# KiCad board Retro.kicad_pcb
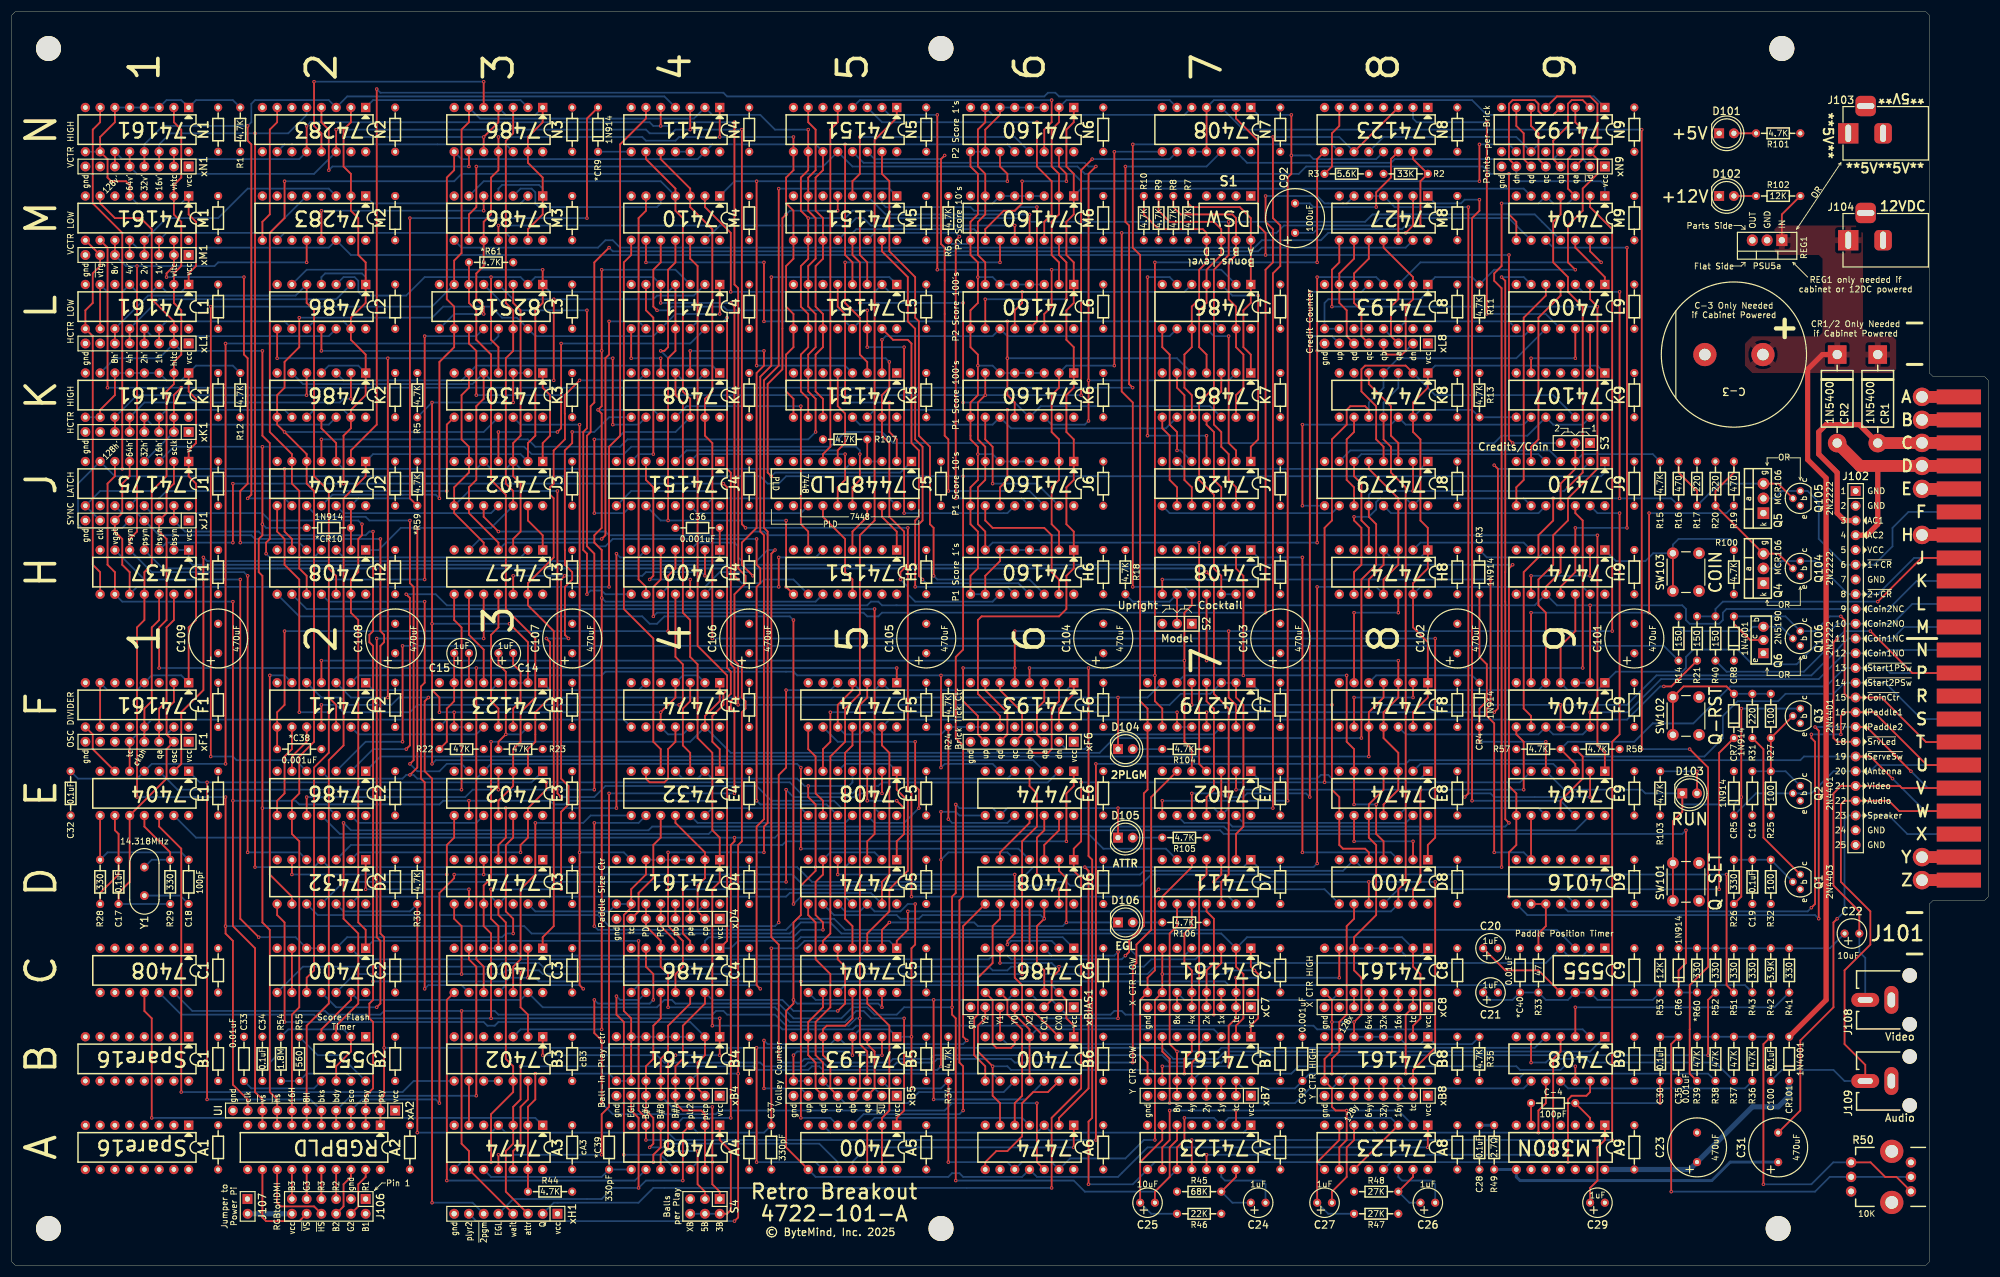
[diagram p0: board, top side]
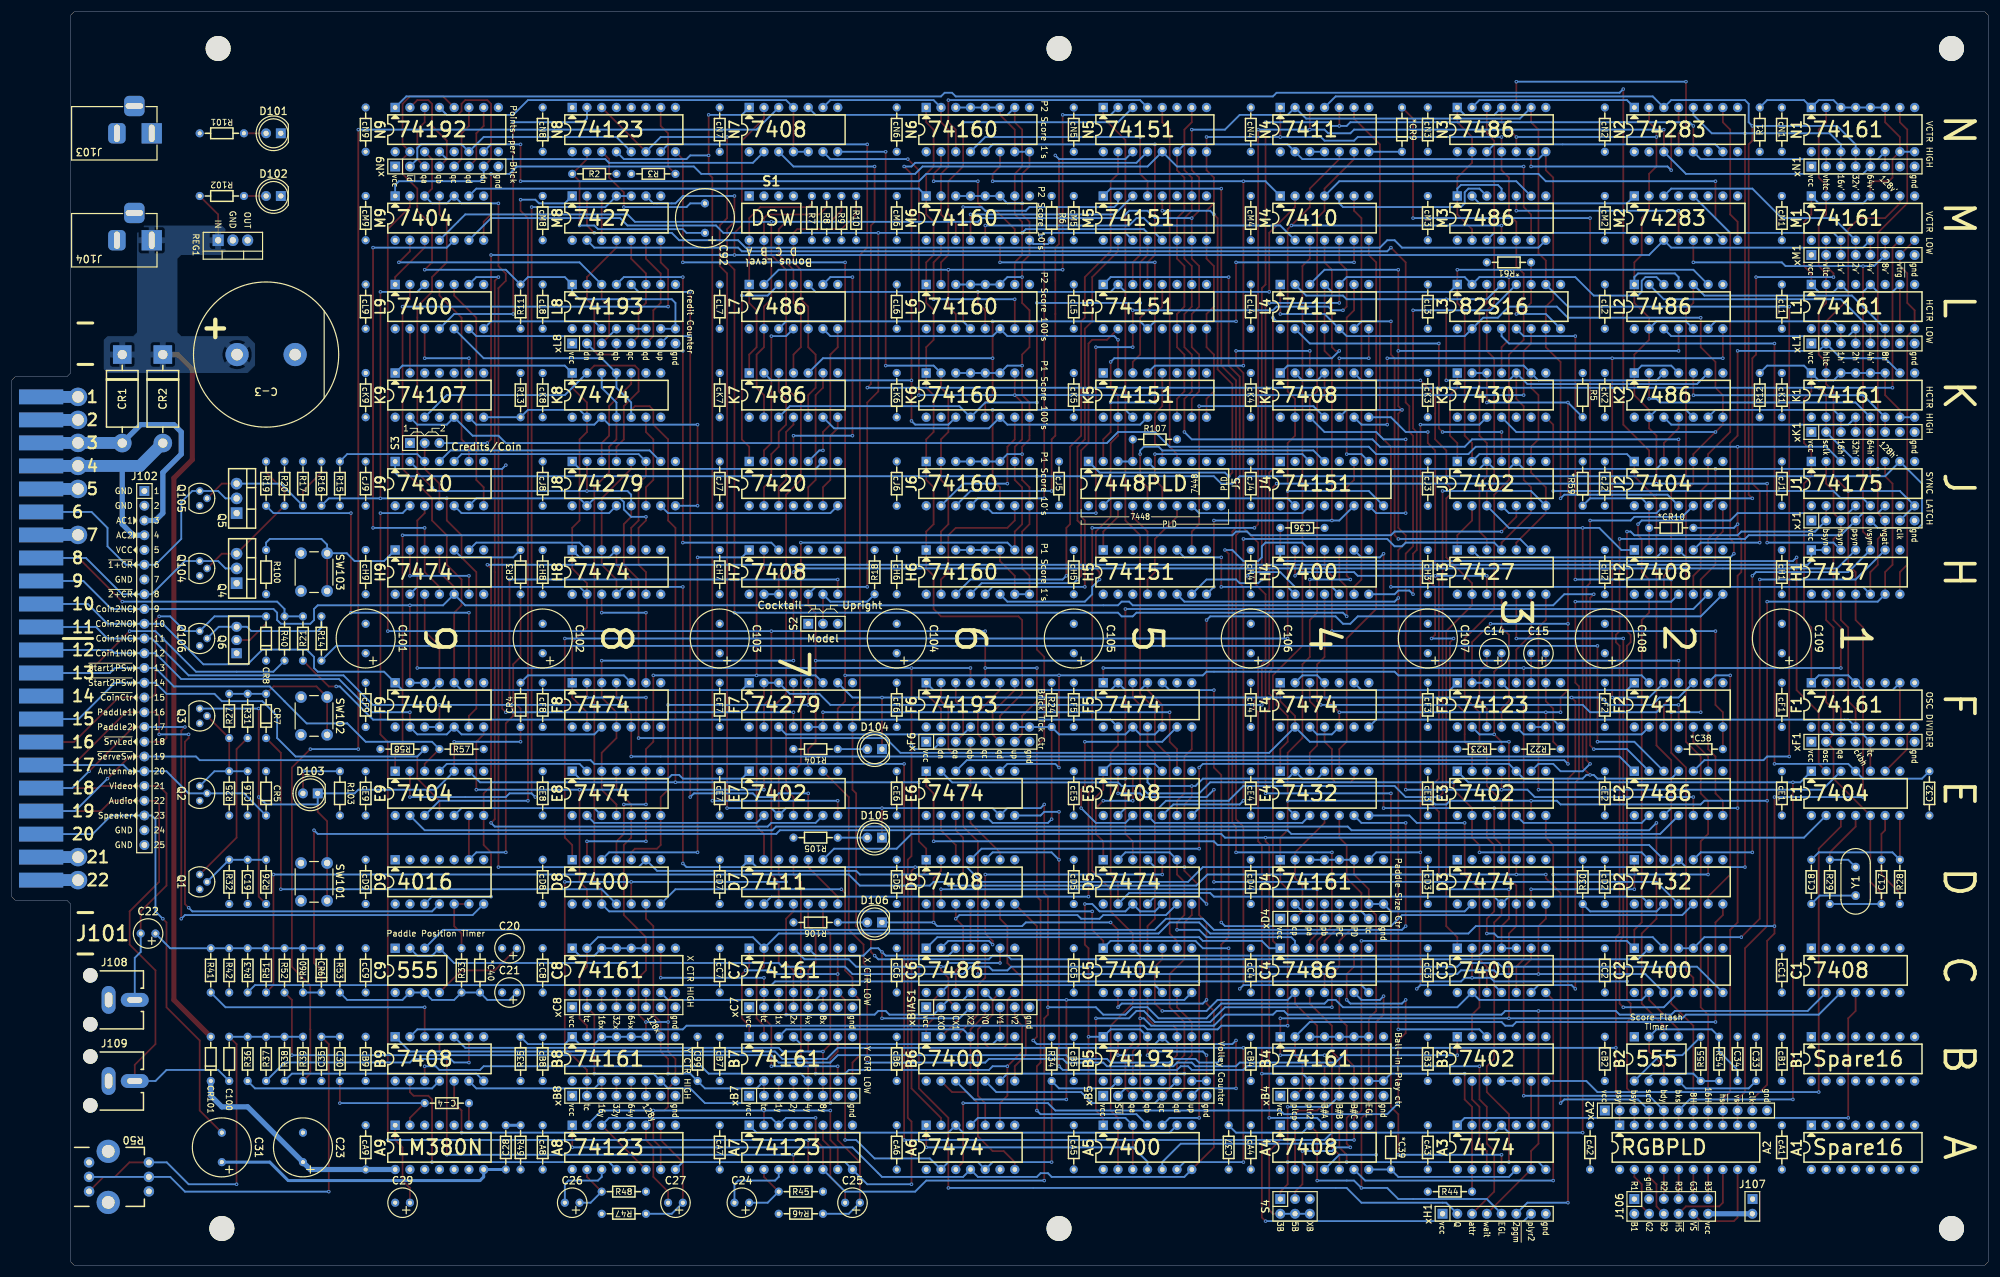
[diagram p1: board, bottom side, seen from below]

Outline 340.36 x 215.9 mm; copper layers: Top, In1.Cu, In2.Cu, Bottom. Coordinates in mm from the lower left corner of the outline.
Outline path: 0,215.26 0.64,215.9 329.56,215.9 330.2,215.26 330.2,153.67 330.83,153.03 339.73,153.03 340.36,152.4 340.36,63.5 339.73,62.86 330.83,62.86 330.2,62.23 330.2,0.63 329.56,0 0.64,0 0,0.63 0,215.26
Stack: Top 0.035mm / dielectric 0.1mm FR4 er 4.5 / In1.Cu 0.035mm / dielectric 1.24mm FR4 er 4.5 / In2.Cu 0.035mm / dielectric 0.1mm FR4 er 4.5 / Bottom 0.035mm

## Placement (name value [footprint] x y rotation side)
*C38  0.001uF  [C_Disc-0.3in]  49.53 88.9 0 top
*C39  330pF  [C_Disc-0.3in]  102.87 20.32 90 top
*C40  0.01uF  [C_Disc-0.3in]  259.71 50.8 90 top
*CR9  1N914  [D_Axial-0.3in]  100.97 195.58 90 top
*CR10  1N914  [D_Axial-0.3in]  54.61 127 0 top
*R59  4.7K  [R_Axial-0.3in]  69.85 134.62 90 top
*R60  330  [R_Axial-0.3in]  290.19 50.8 270 top
*R61  4.7K  [R_Axial-0.3in]  82.55 172.72 180 top
A1  Spare16  [DIP-16-0.3in]  30.48 24.13 270 top
A2  RGBPLD  [DIP-20-0.3in]  63.5 24.13 270 top
A3  7474  [DIP-14-0.3in]  91.44 24.13 270 top
A4  7408  [DIP-14-0.3in]  121.92 24.13 270 top
A5  7400  [DIP-14-0.3in]  152.4 24.13 270 top
A6  7474  [DIP-14-0.3in]  182.88 24.13 270 top
A7  74123  [DIP-16-0.3in]  213.36 24.13 270 top
A8  74123  [DIP-16-0.3in]  243.84 24.13 270 top
A9  LM380N  [DIP-14-0.3in]  274.32 24.13 270 top
B1  Spare16  [DIP-16-0.3in]  30.48 39.37 270 top
B2  555  [DIP-8-0.3in]  60.96 39.37 270 top
B3  7402  [DIP-14-0.3in]  91.44 39.37 270 top
B4  74161  [DIP-16-0.3in]  121.92 39.37 270 top
B5  74193  [DIP-16-0.3in]  152.4 39.37 270 top
B6  7400  [DIP-14-0.3in]  182.88 39.37 270 top
B7  74161  [DIP-16-0.3in]  213.36 39.37 270 top
B8  74161  [DIP-16-0.3in]  243.84 39.37 270 top
B9  7408  [DIP-14-0.3in]  274.32 39.37 270 top
C1  7408  [DIP-14-0.3in]  30.48 54.61 270 top
C2  7400  [DIP-14-0.3in]  60.96 54.61 270 top
C3  7400  [DIP-14-0.3in]  91.44 54.61 270 top
C4  7486  [DIP-14-0.3in]  121.92 54.61 270 top
C5  7404  [DIP-14-0.3in]  152.4 54.61 270 top
C6  7486  [DIP-14-0.3in]  182.88 54.61 270 top
C7  74161  [DIP-16-0.3in]  213.36 54.61 270 top
C8  74161  [DIP-16-0.3in]  243.84 54.61 270 top
C9  555  [DIP-8-0.3in]  274.32 54.61 270 top
C14  1uF  [CP_Radial-0.1in-R0.2in]  85.09 105.41 0 top
C15  1uF  [CP_Radial-0.1in-R0.2in]  77.47 105.41 0 top
C16  0.1uF  [C_Disc-0.3in]  299.72 81.28 270 top
C17  0.1uF  [C_Disc-0.3in]  18.41 66.04 270 top
C18  100pF  [C_Disc-0.3in]  30.48 66.04 270 top
C19  0.1uF  [C_Disc-0.3in]  299.72 66.04 90 top
C20  1uF  [CP_Radial-0.1in-R0.2in]  254.63 54.61 0 top
C21  1uF  [CP_Radial-0.1in-R0.2in]  254.63 46.99 0 top
C22  10uF  [CP_Radial-0.1in-R0.2in]  316.87 57.15 0 top
C23  470uF  [CP_Radial-0.2in-R0.4in]  290.19 20.32 90 top
C24  1uF  [CP_Radial-0.1in-R0.2in]  214.63 10.79 0 top
C25  10uF  [CP_Radial-0.1in-R0.2in]  195.58 10.79 0 top
C26  1uF  [CP_Radial-0.1in-R0.2in]  243.84 10.79 0 top
C27  1uF  [CP_Radial-0.1in-R0.2in]  226.06 10.79 0 top
C28  0.1uF  [C_Disc-0.3in]  252.73 20.32 270 top
C29  1uF  [CP_Radial-0.1in-R0.2in]  273.05 10.79 0 top
C30  0.1uF  [C_Disc-0.3in]  283.85 35.56 90 top
C31  470uF  [CP_Radial-0.2in-R0.4in]  304.17 20.32 90 top
C32  0.1uF  [C_Disc-0.3in]  10.16 81.28 270 top
C33  0.01uF  [C_Disc-0.3in]  40.01 35.56 90 top
C34  0.1uF  [C_Disc-0.3in]  43.18 35.56 90 top
C35  0.01uF  [C_Disc-0.3in]  287.02 35.56 270 top
C36  0.001uF  [C_Disc-0.3in]  118.11 127 180 top
C37  330pF  [C_Disc-0.3in]  130.81 20.32 270 top
C92  100uF  [CP_Radial-0.2in-R0.4in]  220.98 180.34 90 top
C99  0.001uF  [C_Disc-0.3in]  222.25 35.56 90 top
C100  0.1uF  [C_Disc-0.3in]  302.89 35.56 90 top
C101  470uF  [CP_Radial-0.2in-R0.4in]  279.4 107.95 90 top
C102  470uF  [CP_Radial-0.2in-R0.4in]  248.92 107.95 90 top
C103  470uF  [CP_Radial-0.2in-R0.4in]  218.44 107.95 90 top
C104  470uF  [CP_Radial-0.2in-R0.4in]  187.96 107.95 90 top
C105  470uF  [CP_Radial-0.2in-R0.4in]  157.48 107.95 90 top
C106  470uF  [CP_Radial-0.2in-R0.4in]  127 107.95 90 top
C107  470uF  [CP_Radial-0.2in-R0.4in]  96.52 107.95 90 top
C108  470uF  [CP_Radial-0.2in-R0.4in]  66.04 107.95 90 top
C109  470uF  [CP_Radial-0.2in-R0.4in]  35.56 107.95 90 top
C-3  4700uF  [CP_Radial-10mm-R35mm]  296.55 156.84 180 top
C-4  100pF  [C_Disc-0.3in]  265.43 27.94 180 top
cA1  0.1uF  [C_Axial-0.3in]  35.56 20.32 90 top
cA2  0.1uF  [C_Axial-0.3in]  68.58 20.32 90 top
cA3  0.1uF  [C_Axial-0.3in]  96.52 20.32 90 top
cA4  0.1uF  [C_Axial-0.3in]  127 20.32 90 top
cA5  0.1uF  [C_Axial-0.3in]  157.48 20.32 90 top
cA6  0.1uF  [C_Axial-0.3in]  187.96 20.32 90 top
cA7  0.1uF  [C_Axial-0.3in]  218.44 20.32 90 top
cA8  0.1uF  [C_Axial-0.3in]  248.92 20.32 90 top
cA9  0.1uF  [C_Axial-0.3in]  279.4 20.32 90 top
cB1  0.1uF  [C_Axial-0.3in]  35.56 35.56 90 top
cB2  0.1uF  [C_Axial-0.3in]  66.04 35.56 90 top
cB3  0.1uF  [C_Axial-0.3in]  96.52 35.56 90 top
cB4  0.1uF  [C_Axial-0.3in]  127 35.56 90 top
cB5  0.1uF  [C_Axial-0.3in]  157.48 35.56 90 top
cB6  0.1uF  [C_Axial-0.3in]  187.96 35.56 90 top
cB7  0.1uF  [C_Axial-0.3in]  218.44 35.56 90 top
cB8  0.1uF  [C_Axial-0.3in]  248.92 35.56 90 top
cB9  0.1uF  [C_Axial-0.3in]  279.4 35.56 90 top
cC1  0.1uF  [C_Axial-0.3in]  35.56 50.8 90 top
cC2  0.1uF  [C_Axial-0.3in]  66.04 50.8 90 top
cC3  0.1uF  [C_Axial-0.3in]  96.52 50.8 90 top
cC4  0.1uF  [C_Axial-0.3in]  127 50.8 90 top
cC5  0.1uF  [C_Axial-0.3in]  157.48 50.8 90 top
cC6  0.1uF  [C_Axial-0.3in]  187.96 50.8 90 top
cC7  0.1uF  [C_Axial-0.3in]  218.44 50.8 90 top
cC8  0.1uF  [C_Axial-0.3in]  248.92 50.8 90 top
cC9  0.1uF  [C_Axial-0.3in]  279.4 50.8 90 top
cD2  0.1uF  [C_Axial-0.3in]  66.04 66.04 90 top
cD3  0.1uF  [C_Axial-0.3in]  96.52 66.04 90 top
cD4  0.1uF  [C_Axial-0.3in]  127 66.04 90 top
cD5  0.1uF  [C_Axial-0.3in]  157.48 66.04 90 top
cD6  0.1uF  [C_Axial-0.3in]  187.96 66.04 90 top
cD7  0.1uF  [C_Axial-0.3in]  218.44 66.04 90 top
cD8  0.1uF  [C_Axial-0.3in]  248.92 66.04 90 top
cD9  0.1uF  [C_Axial-0.3in]  279.4 66.04 90 top
cE1  0.1uF  [C_Axial-0.3in]  35.56 81.28 90 top
cE2  0.1uF  [C_Axial-0.3in]  66.04 81.28 90 top
cE3  0.1uF  [C_Axial-0.3in]  96.52 81.28 90 top
cE4  0.1uF  [C_Axial-0.3in]  127 81.28 90 top
cE5  0.1uF  [C_Axial-0.3in]  157.48 81.28 90 top
cE6  0.1uF  [C_Axial-0.3in]  187.96 81.28 90 top
cE7  0.1uF  [C_Axial-0.3in]  218.44 81.28 90 top
cE8  0.1uF  [C_Axial-0.3in]  248.92 81.28 90 top
cE9  0.1uF  [C_Axial-0.3in]  279.4 81.28 90 top
cF1  0.1uF  [C_Axial-0.3in]  35.56 96.52 90 top
cF2  0.1uF  [C_Axial-0.3in]  66.04 96.52 90 top
cF3  0.1uF  [C_Axial-0.3in]  96.52 96.52 90 top
cF4  0.1uF  [C_Axial-0.3in]  127 96.52 90 top
cF5  0.1uF  [C_Axial-0.3in]  157.48 96.52 90 top
cF6  0.1uF  [C_Axial-0.3in]  187.96 96.52 90 top
cF7  0.1uF  [C_Axial-0.3in]  218.44 96.52 90 top
cF8  0.1uF  [C_Axial-0.3in]  248.92 96.52 90 top
cF9  0.1uF  [C_Axial-0.3in]  279.4 96.52 90 top
cH1  0.1uF  [C_Axial-0.3in]  35.56 119.38 90 top
cH2  0.1uF  [C_Axial-0.3in]  66.04 119.38 90 top
cH3  0.1uF  [C_Axial-0.3in]  96.52 119.38 90 top
cH4  0.1uF  [C_Axial-0.3in]  127 119.38 90 top
cH5  0.1uF  [C_Axial-0.3in]  157.48 119.38 90 top
cH6  0.1uF  [C_Axial-0.3in]  187.96 119.38 90 top
cH7  0.1uF  [C_Axial-0.3in]  218.44 119.38 90 top
cH8  0.1uF  [C_Axial-0.3in]  248.92 119.38 90 top
cH9  0.1uF  [C_Axial-0.3in]  279.4 119.38 90 top
cJ1  0.1uF  [C_Axial-0.3in]  35.56 134.62 90 top
cJ2  0.1uF  [C_Axial-0.3in]  66.04 134.62 90 top
cJ3  0.1uF  [C_Axial-0.3in]  96.52 134.62 90 top
cJ4  0.1uF  [C_Axial-0.3in]  127 134.62 90 top
cJ5  0.1uF  [C_Axial-0.3in]  160.02 134.62 90 top
cJ6  0.1uF  [C_Axial-0.3in]  187.96 134.62 90 top
cJ7  0.1uF  [C_Axial-0.3in]  218.44 134.62 90 top
cJ8  0.1uF  [C_Axial-0.3in]  248.92 134.62 90 top
cJ9  0.1uF  [C_Axial-0.3in]  279.4 134.62 90 top
cK1  0.1uF  [C_Axial-0.3in]  35.56 149.86 90 top
cK2  0.1uF  [C_Axial-0.3in]  66.04 149.86 90 top
cK3  0.1uF  [C_Axial-0.3in]  96.52 149.86 90 top
cK4  0.1uF  [C_Axial-0.3in]  127 149.86 90 top
cK5  0.1uF  [C_Axial-0.3in]  157.48 149.86 90 top
cK6  0.1uF  [C_Axial-0.3in]  187.96 149.86 90 top
cK7  0.1uF  [C_Axial-0.3in]  218.44 149.86 90 top
cK8  0.1uF  [C_Axial-0.3in]  248.92 149.86 90 top
cK9  0.1uF  [C_Axial-0.3in]  279.4 149.86 90 top
cL1  0.1uF  [C_Axial-0.3in]  35.56 165.1 90 top
cL2  0.1uF  [C_Axial-0.3in]  66.04 165.1 90 top
cL3  0.1uF  [C_Axial-0.3in]  96.52 165.1 90 top
cL4  0.1uF  [C_Axial-0.3in]  127 165.1 90 top
cL5  0.1uF  [C_Axial-0.3in]  157.48 165.1 90 top
cL6  0.1uF  [C_Axial-0.3in]  187.96 165.1 90 top
cL7  0.1uF  [C_Axial-0.3in]  218.44 165.1 90 top
cL8  0.1uF  [C_Axial-0.3in]  248.92 165.1 90 top
cL9  0.1uF  [C_Axial-0.3in]  279.4 165.1 90 top
cM1  0.1uF  [C_Axial-0.3in]  35.56 180.34 90 top
cM2  0.1uF  [C_Axial-0.3in]  66.04 180.34 90 top
cM3  0.1uF  [C_Axial-0.3in]  96.52 180.34 90 top
cM4  0.1uF  [C_Axial-0.3in]  127 180.34 90 top
cM5  0.1uF  [C_Axial-0.3in]  157.48 180.34 90 top
cM6  0.1uF  [C_Axial-0.3in]  187.96 180.34 90 top
cM8  0.1uF  [C_Axial-0.3in]  248.92 180.34 90 top
cM9  0.1uF  [C_Axial-0.3in]  279.4 180.34 90 top
cN1  0.1uF  [C_Axial-0.3in]  35.56 195.58 90 top
cN2  0.1uF  [C_Axial-0.3in]  66.04 195.58 90 top
cN3  0.1uF  [C_Axial-0.3in]  96.52 195.58 90 top
cN4  0.1uF  [C_Axial-0.3in]  127 195.58 90 top
cN5  0.1uF  [C_Axial-0.3in]  157.48 195.58 90 top
cN6  0.1uF  [C_Axial-0.3in]  187.96 195.58 90 top
cN7  0.1uF  [C_Axial-0.3in]  218.44 195.58 90 top
cN8  0.1uF  [C_Axial-0.3in]  248.92 195.58 90 top
cN9  0.1uF  [C_Axial-0.3in]  279.4 195.58 90 top
CR1  1N5400  [DO-201_0.6in_H]  321.31 149.22 270 top
CR2  1N5400  [DO-201_0.6in_H]  314.32 149.22 270 top
CR3  1N914  [D_Axial-0.3in]  252.73 119.38 270 top
CR4  1N914  [D_Axial-0.3in]  252.73 96.52 270 top
CR5  1N914  [D_Axial-0.3in]  296.55 81.28 90 top
CR6  1N914  [D_Axial-0.3in]  287.02 50.8 90 top
CR7  1N914  [D_Axial-0.3in]  296.55 94.61 90 top
CR8  1N4001  [D_Axial-0.3in]  296.55 107.95 90 top
CR101  1N4001  [D_Axial-0.3in]  306.07 35.56 90 top
D2  7432  [DIP-14-0.3in]  60.96 69.85 270 top
D3  7474  [DIP-14-0.3in]  91.44 69.85 270 top
D4  74161  [DIP-16-0.3in]  121.92 69.85 270 top
D5  7474  [DIP-14-0.3in]  152.4 69.85 270 top
D6  7408  [DIP-14-0.3in]  182.88 69.85 270 top
D7  7411  [DIP-14-0.3in]  213.36 69.85 270 top
D8  7400  [DIP-14-0.3in]  243.84 69.85 270 top
D9  4016  [DIP-14-0.3in]  274.32 69.85 270 top
D101  +5V  [LED_D5.0mm_Red]  295.27 194.94 0 top
D102  V_UNREG  [LED_D5.0mm_Red]  295.27 184.15 0 top
D103  RUN  [LED_D5.0mm_Green]  288.93 81.28 0 top
D104  2PLGM  [LED_D5.0mm_Green]  191.77 88.9 0 top
D105  ATTR  [LED_D5.0mm_Green]  191.77 73.66 0 top
D106  EGL  [LED_D5.0mm_Green]  191.77 59.05 0 top
E1  7404  [DIP-14-0.3in]  30.48 85.09 270 top
E2  7486  [DIP-14-0.3in]  60.96 85.09 270 top
E3  7402  [DIP-14-0.3in]  91.44 85.09 270 top
E4  7432  [DIP-14-0.3in]  121.92 85.09 270 top
E5  7408  [DIP-14-0.3in]  152.4 85.09 270 top
E6  7474  [DIP-14-0.3in]  182.88 85.09 270 top
E7  7402  [DIP-14-0.3in]  213.36 85.09 270 top
E8  7474  [DIP-14-0.3in]  243.84 85.09 270 top
E9  7404  [DIP-14-0.3in]  274.32 85.09 270 top
F1  74161  [DIP-16-0.3in]  30.48 100.33 270 top
F2  7411  [DIP-14-0.3in]  60.96 100.33 270 top
F3  74123  [DIP-16-0.3in]  91.44 100.33 270 top
F4  7474  [DIP-14-0.3in]  121.92 100.33 270 top
F5  7474  [DIP-14-0.3in]  152.4 100.33 270 top
F6  74193  [DIP-16-0.3in]  182.88 100.33 270 top
F7  74279  [DIP-16-0.3in]  213.36 100.33 270 top
F8  7474  [DIP-14-0.3in]  243.84 100.33 270 top
F9  7404  [DIP-14-0.3in]  274.32 100.33 270 top
H1  7437  [DIP-14-0.3in]  30.48 123.19 270 top
H2  7408  [DIP-14-0.3in]  60.96 123.19 270 top
H3  7427  [DIP-14-0.3in]  91.44 123.19 270 top
H4  7400  [DIP-14-0.3in]  121.92 123.19 270 top
H5  74151  [DIP-16-0.3in]  152.4 123.19 270 top
H6  74160  [DIP-16-0.3in]  182.88 123.19 270 top
H7  7408  [DIP-14-0.3in]  213.36 123.19 270 top
H8  7474  [DIP-14-0.3in]  243.84 123.19 270 top
H9  7474  [DIP-14-0.3in]  274.32 123.19 270 top
Hole1  MountingHole  [Hole_4.3mm-M4]  6.35 209.55 0 top
Hole2  MountingHole  [Hole_4.3mm-M4]  6.35 6.35 0 top
Hole3  MountingHole  [Hole_4.3mm-M4]  160.02 209.55 0 top
Hole4  MountingHole  [Hole_4.3mm-M4]  160.02 6.35 0 top
Hole5  MountingHole  [Hole_4.3mm-M4]  304.8 209.55 0 top
Hole6  MountingHole  [Hole_4.3mm-M4]  304.17 6.35 0 top
J1  74175  [DIP-16-0.3in]  30.48 138.43 270 top
J2  7404  [DIP-14-0.3in]  60.96 138.43 270 top
J3  7402  [DIP-14-0.3in]  91.44 138.43 270 top
J4  74151  [DIP-16-0.3in]  121.92 138.43 270 top
J5  7448PLD  [DIP-20-0.3in]  154.94 138.43 270 top
J6  74160  [DIP-16-0.3in]  182.88 138.43 270 top
J7  7420  [DIP-14-0.3in]  213.36 138.43 270 top
J8  74279  [DIP-16-0.3in]  243.84 138.43 270 top
J9  7410  [DIP-14-0.3in]  274.32 138.43 270 top
J101  Conn44P  [Conn_Edge_2x22-0.156in]  340.36 107.95 0 top
J102  Conn25P  [Head_1x25-0.1in]  317.5 133.35 0 top
J103  5V@3A  [BarrelJack_2.1x5.5mm]  316.23 194.94 180 top
J104  +12V@xA  [BarrelJack_2.1x5.5mm]  316.23 176.53 180 top
J106  RGBtoHDMI  [Head_2x6-0.1in]  60.96 11.43 270 top
J107  RGBtoHDMIPower  [Head_1x2_0.1in]  40.64 11.43 0 top
J108  Video  [Conn_RNC-CUI-RCJ-045]  327.66 45.72 0 top
J109  Audio  [Conn_RNC-CUI-RCJ-045]  327.66 31.75 0 top
K1  74161  [DIP-16-0.3in]  30.48 153.67 270 top
K2  7486  [DIP-14-0.3in]  60.96 153.67 270 top
K3  7430  [DIP-14-0.3in]  91.44 153.67 270 top
K4  7408  [DIP-14-0.3in]  121.92 153.67 270 top
K5  74151  [DIP-16-0.3in]  152.4 153.67 270 top
K6  74160  [DIP-16-0.3in]  182.88 153.67 270 top
K7  7486  [DIP-14-0.3in]  213.36 153.67 270 top
K8  7474  [DIP-14-0.3in]  243.84 153.67 270 top
K9  74107  [DIP-14-0.3in]  274.32 153.67 270 top
L1  74161  [DIP-16-0.3in]  30.48 168.91 270 top
L2  7486  [DIP-14-0.3in]  60.96 168.91 270 top
L3  82S16  [DIP-16-0.3in]  91.44 168.91 270 top
L4  7411  [DIP-14-0.3in]  121.92 168.91 270 top
L5  74151  [DIP-16-0.3in]  152.4 168.91 270 top
L6  74160  [DIP-16-0.3in]  182.88 168.91 270 top
L7  7486  [DIP-14-0.3in]  213.36 168.91 270 top
L8  74193  [DIP-16-0.3in]  243.84 168.91 270 top
L9  7400  [DIP-14-0.3in]  274.32 168.91 270 top
M1  74161  [DIP-16-0.3in]  30.48 184.15 270 top
M2  74283  [DIP-16-0.3in]  60.96 184.15 270 top
M3  7486  [DIP-14-0.3in]  91.44 184.15 270 top
M4  7410  [DIP-14-0.3in]  121.92 184.15 270 top
M5  74151  [DIP-16-0.3in]  152.4 184.15 270 top
M6  74160  [DIP-16-0.3in]  182.88 184.15 270 top
M8  7427  [DIP-14-0.3in]  243.84 184.15 270 top
M9  7404  [DIP-14-0.3in]  274.32 184.15 270 top
N1  74161  [DIP-16-0.3in]  30.48 199.39 270 top
N2  74283  [DIP-16-0.3in]  60.96 199.39 270 top
N3  7486  [DIP-14-0.3in]  91.44 199.39 270 top
N4  7411  [DIP-14-0.3in]  121.92 199.39 270 top
N5  74151  [DIP-16-0.3in]  152.4 199.39 270 top
N6  74160  [DIP-16-0.3in]  182.88 199.39 270 top
N7  7408  [DIP-14-0.3in]  213.36 199.39 270 top
N8  74123  [DIP-16-0.3in]  243.84 199.39 270 top
N9  74192  [DIP-16-0.3in]  274.32 199.39 270 top
Q1  2N4403  [TO-92]  307.98 64.77 90 top
Q2  2N4401  [TO-92]  307.98 80.01 90 top
Q3  2N4401  [TO-92]  307.98 93.34 90 top
Q4  MCR106  [TO-225AA-3_V]  301.62 117.47 90 top
Q5  MCR106  [TO-225AA-3_V]  301.62 129.54 90 top
Q6  2N5190  [TO-126-3_V]  301.62 105.41 90 top
Q104  2N2222  [TO-92]  307.98 118.74 90 top
Q105  2N2222  [TO-92]  307.98 130.81 90 top
Q106  2N2222  [TO-92]  307.98 106.68 90 top
R1  4.7K  [R_Axial-0.3in]  39.37 195.58 270 top
R2  33K  [R_Axial-0.3in]  240.03 187.96 0 top
R3  5.6K  [R_Axial-0.3in]  229.87 187.96 180 top
R5  4.7K  [R_Axial-0.3in]  69.85 149.86 90 top
R6  4.7K  [R_Axial-0.3in]  161.29 180.34 90 top
R7  4.7K  [R_Axial-0.3in]  202.56 180.34 90 top
R8  4.7K  [R_Axial-0.3in]  200.03 180.34 90 top
R9  4.7K  [R_Axial-0.3in]  197.49 180.34 90 top
R10  4.7K  [R_Axial-0.3in]  194.94 180.34 90 top
R11  4.7K  [R_Axial-0.3in]  252.73 165.1 270 top
R12  4.7K  [R_Axial-0.3in]  39.37 149.86 270 top
R13  4.7K  [R_Axial-0.3in]  252.73 149.86 90 top
R14  150  [R_Axial-0.3in]  287.02 107.95 90 top
R15  4.7K  [R_Axial-0.3in]  283.85 134.62 90 top
R16  470  [R_Axial-0.3in]  287.02 134.62 90 top
R17  220  [R_Axial-0.3in]  290.19 134.62 90 top
R18  4.7K  [R_Axial-0.3in]  191.77 119.38 270 top
R19  470  [R_Axial-0.3in]  296.55 134.62 90 top
R20  220  [R_Axial-0.3in]  293.37 134.62 90 top
R21  150  [R_Axial-0.3in]  290.19 107.95 270 top
R22  47K  [R_Axial-0.3in]  77.47 88.9 180 top
R23  47K  [R_Axial-0.3in]  87.63 88.9 180 top
R24  4.7K  [R_Axial-0.3in]  161.29 96.52 90 top
R25  100  [R_Axial-0.3in]  302.89 81.28 270 top
R26  330  [R_Axial-0.3in]  296.55 66.04 270 top
R27  100  [R_Axial-0.3in]  302.89 94.61 270 top
R28  330  [R_Axial-0.3in]  15.24 66.04 270 top
R29  330  [R_Axial-0.3in]  27.3 66.04 90 top
R30  4.7K  [R_Axial-0.3in]  69.85 66.04 270 top
R31  220  [R_Axial-0.3in]  299.72 94.61 90 top
R32  100  [R_Axial-0.3in]  302.89 66.04 90 top
R33  47  [R_Axial-0.3in]  262.89 50.8 270 top
R34  4.7K  [R_Axial-0.3in]  161.29 35.56 90 top
R35  4.7K  [R_Axial-0.3in]  252.73 35.56 270 top
R36  47K  [R_Axial-0.3in]  299.72 35.56 270 top
R37  47K  [R_Axial-0.3in]  296.55 35.56 270 top
R38  47K  [R_Axial-0.3in]  293.37 35.56 270 top
R39  47K  [R_Axial-0.3in]  290.19 35.56 270 top
R40  150  [R_Axial-0.3in]  293.37 107.95 90 top
R41  330  [R_Axial-0.3in]  306.07 50.8 90 top
R42  3.9K  [R_Axial-0.3in]  302.89 50.8 90 top
R43  330  [R_Axial-0.3in]  299.72 50.8 270 top
R44  4.7K  [R_Axial-0.3in]  92.71 12.7 0 top
R45  68K  [R_Axial-0.3in]  204.47 12.7 0 top
R46  22K  [R_Axial-0.3in]  204.47 8.89 180 top
R47  27K  [R_Axial-0.3in]  234.95 8.89 180 top
R48  27K  [R_Axial-0.3in]  234.95 12.7 0 top
R49  2.7Ω  [R_Axial-0.3in]  255.27 20.32 90 top
R50  10K  [R_POT-Bourns-PTV09A-1-V]  327.02 15.24 180 top
R51  330  [R_Axial-0.3in]  296.55 50.8 270 top
R52  330  [R_Axial-0.3in]  293.37 50.8 90 top
R53  12K  [R_Axial-0.3in]  283.85 50.8 90 top
R54  1.8M  [R_Axial-0.3in]  46.35 35.56 90 top
R55  560  [R_Axial-0.3in]  49.53 35.56 270 top
R57  4.7K  [R_Axial-0.3in]  262.89 88.9 0 top
R58  4.7K  [R_Axial-0.3in]  273.05 88.9 180 top
R100  4.7K  [R_Axial-0.3in]  296.55 119.38 90 top
R101  4.7K  [R_Axial-0.3in]  304.17 194.94 180 top
R102  12K  [R_Axial-0.3in]  304.17 184.15 180 top
R103  4.7K  [R_Axial-0.3in]  283.85 81.28 90 top
R104  4.7K  [R_Axial-0.3in]  201.93 88.9 180 top
R105  4.7K  [R_Axial-0.3in]  201.93 73.66 180 top
R106  4.7K  [R_Axial-0.3in]  201.93 59.05 180 top
R107  4.7K  [R_Axial-0.3in]  143.51 142.24 0 top
REG1  PSU5a  [TO-220-3_V]  304.8 176.53 180 top
S1  DSW  [SW_DIP-SPSTx4]  213.36 184.15 270 top
S2  Model  [Head_1x3_0.1in]  203.2 110.49 270 top
S3  Credits/Coin  [Head_1x3_0.1in]  271.78 141.6 270 top
S4  Balls-Per-Play  [Head_2x3-0.1in]  121.92 11.43 270 top
SW101  Q-SET  [SW_TACT-6.5x4.5mm]  288.29 66.04 90 top
SW102  Q-RST  [SW_TACT-6.5x4.5mm]  288.29 94.61 90 top
SW103  COIN  [SW_TACT-6.5x4.5mm]  288.29 119.38 90 top
xA2  UI  [Head_1x12-0.1in]  66.04 26.67 270 top
xB4  Conn_01x08_Pin  [Head_1x8-0.1in]  121.92 29.21 270 top
xB5  Conn_01x08_Pin  [Head_1x8-0.1in]  152.4 29.21 270 top
xB7  Conn_01x08_Pin  [Head_1x8-0.1in]  213.36 29.21 270 top
xB8  Conn_01x08_Pin  [Head_1x8-0.1in]  243.84 29.21 270 top
xBIAS1  Conn_01x08_Pin  [Head_1x8-0.1in]  182.88 44.45 270 top
xC7  Conn_01x08_Pin  [Head_1x8-0.1in]  213.36 44.45 270 top
xC8  Conn_01x08_Pin  [Head_1x8-0.1in]  243.84 44.45 270 top
xD4  Conn_01x08_Pin  [Head_1x8-0.1in]  121.92 59.69 270 top
xF1  Conn_01x08_Pin  [Head_1x8-0.1in]  30.48 90.17 270 top
xF6  Conn_01x08_Pin  [Head_1x8-0.1in]  182.88 90.17 270 top
xH1  Conn_01x08_Pin  [Head_1x8-0.1in]  93.98 8.89 270 top
xJ1  Conn_01x08_Pin  [Head_1x8-0.1in]  30.48 128.27 270 top
xK1  Conn_01x08_Pin  [Head_1x8-0.1in]  30.48 143.51 270 top
xL1  Conn_01x08_Pin  [Head_1x8-0.1in]  30.48 158.75 270 top
xL8  Conn_01x08_Pin  [Head_1x8-0.1in]  243.84 158.75 270 top
xM1  Conn_01x08_Pin  [Head_1x8-0.1in]  30.48 173.99 270 top
xN1  Conn_01x08_Pin  [Head_1x8-0.1in]  30.48 189.23 270 top
xN9  Conn_01x08_Pin  [Head_1x8-0.1in]  274.32 189.23 270 top
Y1  14.318MHz  [Crystal_0.2in_V]  22.86 68.58 270 top
